# Allegro board MinnowMax_RevA1.brd (continued)
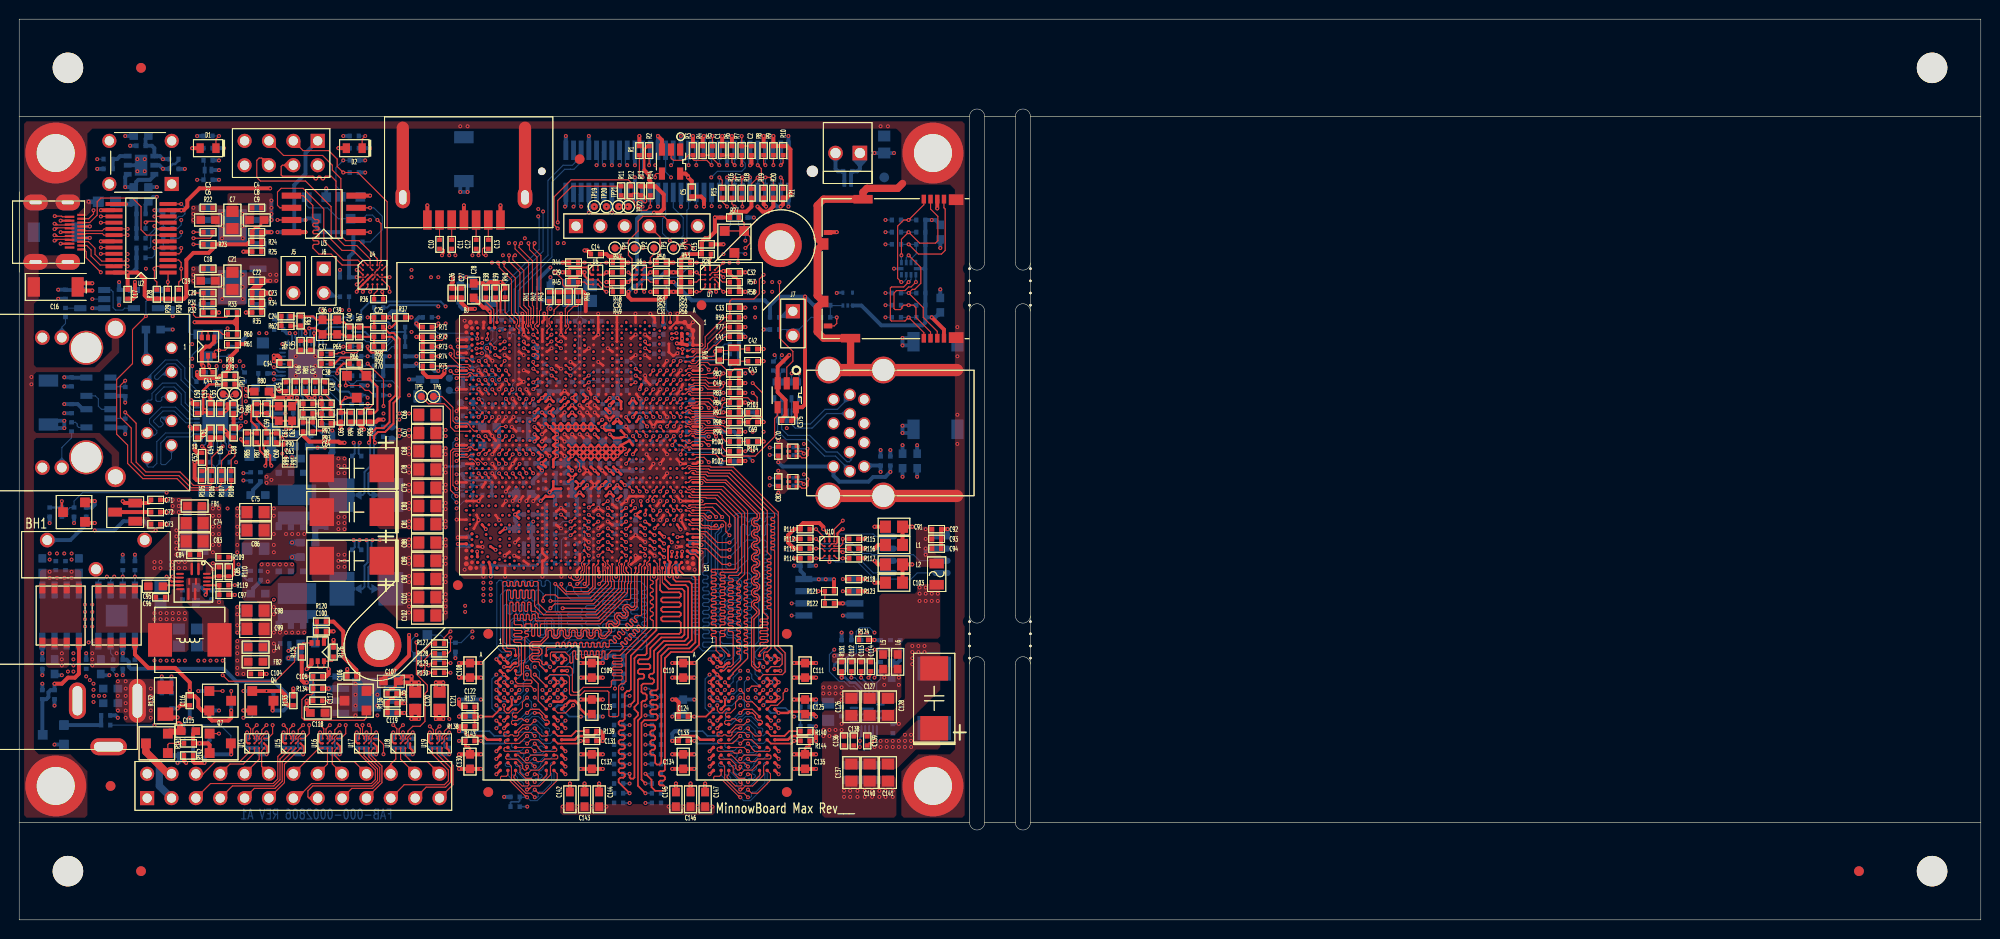
[diagram p0: board, top side]
## Footprints (pads in the part's own frame, mm; a bottom-side part is the same pattern mirrored in y, then rotated) (continued)
  round 0.305 smd: AB4(11.137,-1.448) AB6(10.463,-1.448) AB7(9.752,-1.448) AB9(9.041,-1.448) AB10(8.33,-1.448) AB12(7.618,-1.448) AB13(6.907,-1.448) AB14(6.196,-1.448) AB40(-6.196,-1.448) AB41(-6.907,-1.448) AB42(-7.618,-1.448) AB44(-8.33,-1.448) AB45(-9.041,-1.448) AB47(-9.752,-1.448) AB48(-10.463,-1.448) AB50(-11.137,-1.448) AD4(10.995,-0.463) AD6(10.404,-0.525) AD7(9.752,-0.475) AD9(9.041,-0.475) AD10(8.33,-0.475) AD12(7.618,-0.475) AD13(6.907,-0.475) AD14(6.196,-0.475) AD40(-6.196,-0.475) AD41(-6.907,-0.475) AD42(-7.618,-0.475) AD44(-8.33,-0.475) AD45(-9.041,-0.475) AD47(-9.752,-0.475) AD48(-10.404,-0.525) AD50(-10.995,-0.463) AE6(10.108,0) AE8(9.396,0) AE9(8.685,0) AE11(7.974,0) AE12(7.263,0) AE14(6.552,0) AE40(-6.552,0) AE42(-7.263,0) AE43(-7.974,0) AE45(-8.685,0) AE46(-9.396,0) AE48(-10.108,0) AF4(10.995,0.463) AF6(10.404,0.525) AF7(9.752,0.475) AF9(9.041,0.475) AF10(8.33,0.475) AF12(7.618,0.475) AF13(6.907,0.475) AF14(6.196,0.475) AF40(-6.196,0.475) AF41(-6.907,0.475) AF42(-7.618,0.475) AF44(-8.33,0.475) AF45(-9.041,0.475) AF47(-9.752,0.475) AF48(-10.404,0.525) AF50(-10.995,0.463) AH4(11.137,1.448) AH6(10.463,1.448) AH7(9.752,1.448) AH9(9.041,1.448) AH10(8.33,1.448) AH12(7.618,1.448) AH13(6.907,1.448) AH14(6.196,1.448) AH40(-6.196,1.448) AH41(-6.907,1.448) AH42(-7.618,1.448) AH44(-8.33,1.448) AH45(-9.041,1.448) AH47(-9.752,1.448) AH48(-10.463,1.448) AH50(-11.137,1.448) AK4(11.137,2.439) AK6(10.463,2.439) AK7(9.752,2.439) AK9(9.041,2.439) AK10(8.33,2.439) AK12(7.618,2.439) AK13(6.907,2.439) AK14(6.196,2.439) AK40(-6.196,2.439) AK41(-6.907,2.439) AK42(-7.618,2.439) AK44(-8.33,2.439) AK45(-9.041,2.439) AK47(-9.752,2.439) AK48(-10.463,2.439) AK50(-11.137,2.439) AM4(11.137,3.386) AM6(10.463,3.412) AM7(9.752,3.412) AM9(9.041,3.412) AM10(8.33,3.412) AM12(7.618,3.412) AM13(6.907,3.412) AM14(6.196,3.412) AM40(-6.196,3.412) AM41(-6.907,3.412) AM42(-7.618,3.412) AM44(-8.33,3.412) AM45(-9.041,3.412) AM47(-9.752,3.412) AM48(-10.463,3.412) AM50(-11.137,3.386) AN5(10.819,3.887) AN6(10.108,3.887) AN8(9.396,3.887) AN9(8.685,3.887) AN11(7.974,3.887) AN12(7.263,3.887) AN14(6.552,3.887) AN40(-6.552,3.887) AN42(-7.263,3.887) AN43(-7.974,3.887) AN45(-8.685,3.887) AN46(-9.396,3.887) AN48(-10.108,3.887) AN49(-10.819,3.887) AP4(11.137,4.388) AP6(10.463,4.362) AP7(9.752,4.362) AP9(9.041,4.362) AP10(8.33,4.362) AP12(7.618,4.362) AP13(6.907,4.362) AP14(6.196,4.362) AP40(-6.196,4.362) AP41(-6.907,4.362) AP42(-7.618,4.362) AP44(-8.33,4.362) AP45(-9.041,4.362) AP47(-9.752,4.362) AP48(-10.463,4.362) AP50(-11.137,4.388) AT4(11.137,5.336) AT6(10.463,5.336) AT7(9.752,5.336) AT9(9.041,5.336) AT10(8.33,5.336) AT12(7.618,5.336) AT13(6.907,5.336) AT14(6.305,5.336) AT16(5.336,5.196) AT18(4.362,5.196) AT19(3.887,5.552) AT20(3.412,5.196) AT22(2.439,5.196) AT24(1.448,5.196) AT26(0.475,5.196) AT27(0,5.552) AT28(-0.475,5.196) AT30(-1.448,5.196) AT32(-2.439,5.196) AT34(-3.412,5.196) AT35(-3.887,5.552) AT36(-4.362,5.196) AT38(-5.336,5.196) AT40(-6.305,5.336) AT41(-6.907,5.336) AT42(-7.618,5.336) AT44(-8.33,5.336) AT45(-9.041,5.336) AT47(-9.752,5.336) AT48(-10.463,5.336) AT50(-11.137,5.336) AU16(5.336,5.907) AU18(4.362,5.907) AU20(3.412,5.907) AU22(2.439,5.907) AU24(1.448,5.907) AU26(0.475,5.907) AU28(-0.475,5.907) AU30(-1.448,5.907) AU32(-2.439,5.907) AU34(-3.412,5.907) AU36(-4.362,5.907) AU38(-5.336,5.907) AV4(11.137,6.326) AV6(10.463,6.326) AV7(9.752,6.326) AV9(9.041,6.326) AV10(8.33,6.326) AV12(7.618,6.326) AV13(6.907,6.326) AV14(6.326,6.446) AV16(5.336,6.618) AV18(4.362,6.618) AV19(3.887,6.263) AV20(3.412,6.618) AV22(2.439,6.618) AV24(1.448,6.618) AV26(0.475,6.618) AV27(0,6.263) AV28(-0.475,6.618) AV30(-1.448,6.618) AV32(-2.439,6.618) AV34(-3.412,6.618) AV35(-3.887,6.263) AV36(-4.362,6.618) AV38(-5.336,6.618) AV40(-6.326,6.446) AV41(-6.907,6.326) AV42(-7.618,6.326) AV44(-8.33,6.326) AV45(-9.041,6.326) AV47(-9.752,6.326) AV48(-10.463,6.326) AV50(-11.137,6.326) AW13(6.751,6.915) AW19(3.887,6.974) AW27(0,6.974) AW35(-3.887,6.974) AW41(-6.751,6.915) AY4(11.137,7.317) AY6(10.463,7.317) AY7(9.752,7.317) AY9(9.041,7.317) AY10(8.33,7.317) AY12(7.317,7.34) AY14(6.326,7.33) AY16(5.336,7.33) AY18(4.362,7.33) AY20(3.412,7.33) AY22(2.439,7.33) AY24(1.448,7.33) AY26(0.475,7.33) AY28(-0.475,7.33) AY30(-1.448,7.33) AY32(-2.439,7.33) AY34(-3.412,7.33) AY36(-4.362,7.33) AY38(-5.336,7.33) AY40(-6.326,7.33) AY42(-7.317,7.34) AY44(-8.33,7.317) AY45(-9.041,7.317) AY47(-9.752,7.317) AY48(-10.463,7.317) AY50(-11.137,7.317) B7(9.852,-11.23) B47(-9.852,-11.23) BA12(7.317,8.041) BA14(6.326,8.041) BA16(5.336,8.041) BA18(4.362,8.041) BA19(3.887,7.685) BA20(3.412,8.041) BA22(2.439,8.041) BA24(1.448,8.041) BA26(0.475,8.041) BA27(0,7.685) BA28(-0.475,8.041) BA30(-1.448,8.041) BA32(-2.439,8.041) BA34(-3.412,8.041) BA35(-3.887,7.685) BA36(-4.362,8.041) BA38(-5.336,8.041) BA40(-6.326,8.041) BA42(-7.317,8.041) BB4(11.258,8.307) BB5(10.547,8.307) BB7(9.835,8.307) BB8(9.124,8.307) BB10(8.307,8.17) BB19(3.887,8.396) BB27(0,8.396) BB35(-3.887,8.396) BB44(-8.307,8.17) BB46(-9.124,8.307) BB47(-9.835,8.307) BB49(-10.547,8.307) BB50(-11.258,8.307) BC10(8.307,8.764) BC12(7.317,8.752) BC14(6.326,8.752) BC16(5.336,8.752) BC18(4.362,8.752) BC20(3.412,8.752) BC22(2.439,8.752) BC24(1.448,8.752) BC26(0.475,8.752) BC28(-0.475,8.752) BC30(-1.448,8.752) BC32(-2.439,8.752) BC34(-3.412,8.752) BC36(-4.362,8.752) BC38(-5.336,8.752) BC40(-6.326,8.752) BC42(-7.317,8.752) BC44(-8.307,8.764) BD5(10.565,9.302) BD7(9.712,9.302) BD10(8.307,9.457) BD12(7.317,9.463) BD14(6.326,9.463) BD16(5.336,9.463) BD18(4.362,9.463) BD19(3.887,9.108) BD20(3.412,9.463) BD22(2.439,9.463) BD24(1.448,9.463) BD26(0.525,9.404) BD27(0,9.108) BD28(-0.525,9.404) BD30(-1.448,9.463) BD32(-2.439,9.463) BD34(-3.412,9.463) BD35(-3.887,9.108) BD36(-4.362,9.463) BD38(-5.336,9.463) BD40(-6.326,9.463) BD42(-7.317,9.463) BD44(-8.307,9.457) BD47(-9.712,9.302) BD49(-10.565,9.302) BE3(11.643,9.58) BE8(9.32,9.747) BE19(3.887,9.819) BE35(-3.887,9.819) BE46(-9.32,9.747) BE51(-11.643,9.58) BF4(11.163,10.163) BF6(10.113,10.238) BF10(8.307,10.168) BF12(7.317,10.137) BF14(6.326,10.137) BF16(5.336,10.137) BF18(4.388,10.137) BF20(3.386,10.137) BF22(2.439,10.137) BF24(1.448,10.137) BF26(0.463,9.995) BF28(-0.463,9.995) BF30(-1.448,10.137) BF32(-2.439,10.137) BF34(-3.386,10.137) BF36(-4.388,10.137) BF38(-5.336,10.137) BF40(-6.326,10.137) BF42(-7.317,10.137) BF44(-8.307,10.168) BF48(-10.113,10.238) BF50(-11.163,10.163) BG5(10.58,10.643) BG7(9.553,10.709) BG47(-9.553,10.709) BG49(-10.58,10.643) BH7(9.852,11.23) BH47(-9.852,11.23) C5(10.58,-10.643) C7(9.553,-10.709) C47(-9.553,-10.709) C49(-10.58,-10.643) D4(11.163,-10.163) D6(10.113,-10.238) D10(8.307,-10.168) D12(7.317,-10.137) D14(6.326,-10.137) D16(5.336,-10.137) D18(4.388,-10.137) D20(3.386,-10.137) D22(2.439,-10.137) D24(1.448,-10.137) D26(0.463,-9.995) D28(-0.463,-9.995) D30(-1.448,-10.137) D32(-2.439,-10.137) D34(-3.386,-10.137) D36(-4.388,-10.137) D38(-5.336,-10.137) D40(-6.326,-10.137) D42(-7.317,-10.137) D44(-8.307,-10.168) D48(-10.113,-10.238) D50(-11.163,-10.163) E3(11.643,-9.58) E8(9.32,-9.747) E19(3.887,-9.819) E35(-3.887,-9.819) E46(-9.32,-9.747) E51(-11.643,-9.58) F5(10.565,-9.302) F7(9.712,-9.302) F10(8.307,-9.457) F12(7.317,-9.463) F14(6.326,-9.463) F16(5.336,-9.463) F18(4.362,-9.463) F19(3.887,-9.108) F20(3.412,-9.463) F22(2.439,-9.463) F24(1.448,-9.463) F26(0.525,-9.404) F27(0,-9.108) F28(-0.525,-9.404) F30(-1.448,-9.463) F32(-2.439,-9.463) F34(-3.412,-9.463) F35(-3.887,-9.108) F36(-4.362,-9.463) F38(-5.336,-9.463) F40(-6.326,-9.463) F42(-7.317,-9.463) F44(-8.307,-9.457) F47(-9.712,-9.302) F49(-10.565,-9.302) G10(8.307,-8.764) G12(7.317,-8.752) G14(6.326,-8.752) G16(5.336,-8.752) G18(4.362,-8.752) G20(3.412,-8.752) G22(2.439,-8.752) G24(1.448,-8.752) G26(0.475,-8.752) G28(-0.475,-8.752) G30(-1.448,-8.752) G32(-2.439,-8.752) G34(-3.412,-8.752) G36(-4.362,-8.752) G38(-5.336,-8.752) G40(-6.326,-8.752) G42(-7.317,-8.752) G44(-8.307,-8.764) H4(11.258,-8.307) H5(10.547,-8.307) H7(9.835,-8.307) H8(9.124,-8.307) H10(8.307,-8.17) H19(3.887,-8.396) H27(0,-8.396) H35(-3.887,-8.396) H44(-8.307,-8.17) H46(-9.124,-8.307) H47(-9.835,-8.307) H49(-10.547,-8.307) H50(-11.258,-8.307) J12(7.317,-8.041) J14(6.326,-8.041) J16(5.336,-8.041) J18(4.362,-8.041) J19(3.887,-7.685) J20(3.412,-8.041) J22(2.439,-8.041) J24(1.448,-8.041) J26(0.475,-8.041) J27(0,-7.685) J28(-0.475,-8.041) J30(-1.448,-8.041) J32(-2.439,-8.041) J34(-3.412,-8.041) J35(-3.887,-7.685) J36(-4.362,-8.041) J38(-5.336,-8.041) J40(-6.326,-8.041) J42(-7.317,-8.041) K4(11.137,-7.317) K6(10.463,-7.317) K7(9.752,-7.317) K9(9.041,-7.317) K10(8.33,-7.317) K12(7.317,-7.34) K14(6.326,-7.33) K16(5.336,-7.33) K18(4.362,-7.33) K20(3.412,-7.33) K22(2.439,-7.33) K24(1.448,-7.33) K26(0.475,-7.33) K28(-0.475,-7.33) K30(-1.448,-7.33) K32(-2.439,-7.33) K34(-3.412,-7.33) K36(-4.362,-7.33) K38(-5.336,-7.33) K40(-6.326,-7.33) K42(-7.317,-7.34) K44(-8.33,-7.317) K45(-9.041,-7.317) K47(-9.752,-7.317) K48(-10.463,-7.317) K50(-11.137,-7.317) L13(6.751,-6.915) L19(3.887,-6.974) L27(0,-6.974) L35(-3.887,-6.974) L41(-6.751,-6.915) M4(11.137,-6.326) M6(10.463,-6.326) M7(9.752,-6.326) M9(9.041,-6.326) M10(8.33,-6.326) M12(7.618,-6.326) M13(6.907,-6.326) M14(6.326,-6.446) M16(5.336,-6.618) M18(4.362,-6.618) M19(3.887,-6.263) M20(3.412,-6.618) M22(2.439,-6.618) M24(1.448,-6.618) M26(0.475,-6.618) M27(0,-6.263) M28(-0.475,-6.618) M30(-1.448,-6.618) M32(-2.439,-6.618) M34(-3.412,-6.618) M35(-3.887,-6.263) M36(-4.362,-6.618) M38(-5.336,-6.618) M40(-6.326,-6.446) M41(-6.907,-6.326) M42(-7.618,-6.326) M44(-8.33,-6.326) M45(-9.041,-6.326) M47(-9.752,-6.326) M48(-10.463,-6.326) M50(-11.137,-6.326) N16(5.336,-5.907) N18(4.362,-5.907) N20(3.412,-5.907) N22(2.439,-5.907) N24(1.448,-5.907) N26(0.475,-5.907) N28(-0.475,-5.907) N30(-1.448,-5.907) N32(-2.439,-5.907) N34(-3.412,-5.907) N36(-4.362,-5.907) N38(-5.336,-5.907) P4(11.137,-5.336) P6(10.463,-5.336) P7(9.752,-5.336) P9(9.041,-5.336) P10(8.33,-5.336) P12(7.618,-5.336) P13(6.907,-5.336) P14(6.305,-5.336) P16(5.336,-5.196) P18(4.362,-5.196) P19(3.887,-5.552) P20(3.412,-5.196) P22(2.439,-5.196) P24(1.448,-5.196) P26(0.475,-5.196) P27(0,-5.552) P28(-0.475,-5.196) P30(-1.448,-5.196) P32(-2.439,-5.196) P34(-3.412,-5.196) P35(-3.887,-5.552) P36(-4.362,-5.196) P38(-5.336,-5.196) P40(-6.305,-5.336) P41(-6.907,-5.336) P42(-7.618,-5.336) P44(-8.33,-5.336) P45(-9.041,-5.336) P47(-9.752,-5.336) P48(-10.463,-5.336) P50(-11.137,-5.336) T4(11.137,-4.388) T6(10.463,-4.362) T7(9.752,-4.362) T9(9.041,-4.362) T10(8.33,-4.362) T12(7.618,-4.362) T13(6.907,-4.362) T14(6.196,-4.362) T40(-6.196,-4.362) T41(-6.907,-4.362) T42(-7.618,-4.362) T44(-8.33,-4.362) T45(-9.041,-4.362) T47(-9.752,-4.362) T48(-10.463,-4.362) T50(-11.137,-4.388) U5(10.819,-3.887) U6(10.108,-3.887) U8(9.396,-3.887) U9(8.685,-3.887) U11(7.974,-3.887) U12(7.263,-3.887) U14(6.552,-3.887) U40(-6.552,-3.887) U42(-7.263,-3.887) U43(-7.974,-3.887) U45(-8.685,-3.887) U46(-9.396,-3.887) U48(-10.108,-3.887) U49(-10.819,-3.887) V4(11.137,-3.386) V6(10.463,-3.412) V7(9.752,-3.412) V9(9.041,-3.412) V10(8.33,-3.412) V12(7.618,-3.412) V13(6.907,-3.412) V14(6.196,-3.412) V40(-6.196,-3.412) V41(-6.907,-3.412) V42(-7.618,-3.412) V44(-8.33,-3.412) V45(-9.041,-3.412) V47(-9.752,-3.412) V48(-10.463,-3.412) V50(-11.137,-3.386) Y4(11.137,-2.439) Y6(10.463,-2.439) Y7(9.752,-2.439) Y9(9.041,-2.439) Y10(8.33,-2.439) Y12(7.618,-2.439) Y13(6.907,-2.439) Y14(6.196,-2.439) Y40(-6.196,-2.439) Y41(-6.907,-2.439) Y42(-7.618,-2.439) Y44(-8.33,-2.439) Y45(-9.041,-2.439) Y47(-9.752,-2.439) Y48(-10.463,-2.439) Y50(-11.137,-2.439)
FCQFN16_RT7290A_NB669
  oval 1.295x0.254 smd: 1(-1.3,0.525) 2(-1.3,-0.175) 8(1.3,-0.525) 9(1.3,0.175)
  oval 0.203x0.813 smd: 3(-0.8,-1.4) 4(-0.4,-1.4) 5(0,-1.4) 6(0.4,-1.4) 7(0.8,-1.4) 10(0.8,1.4) 11(0.4,1.4) 12(0,1.4) 13(-0.4,1.4) 14(-0.8,1.4)
  rect 0.675x0.2 smd: 15(0,0.265) 16(0,-0.435)
FPC_4P10_R_1
  rect 0.2x0.675 smd: 1(-1,-0.437) 2(-0.5,-0.437) 4(0.5,-0.437) 5(1,-0.437) 6(1,0.437) 7(0.5,0.437) 9(-0.5,0.437) 10(-1,0.437)
  rect 0.4x1.55 smd: 3(0,0) 8(0,0)
FUSE_0805
  rect 1x1.5 smd: 1(-1.1,0) 2(1.1,0)
HDR2X4
  rect 1.473x1.473 hole 0.965: 1(0,0)
  round 1.473 hole 0.965: 2(2.54,0) 3(0,-2.54) 4(2.54,-2.54) 5(0,-5.08) 6(2.54,-5.08) 7(0,-7.62) 8(2.54,-7.62)
HDR2X13
  rect 1.473x1.473 hole 0.965: 1(0,0)
  round 1.473 hole 0.965: 2(0,2.54) 3(2.54,0) 4(2.54,2.54) 5(5.08,0) 6(5.08,2.54) 7(7.62,0) 8(7.62,2.54) 9(10.16,0) 10(10.16,2.54) 11(12.7,0) 12(12.7,2.54) 13(15.24,0) 14(15.24,2.54) 15(17.78,0) 16(17.78,2.54) 17(20.32,0) 18(20.32,2.54) 19(22.86,0) 20(22.86,2.54) 21(25.4,0) 22(25.4,2.54) 23(27.94,0) 24(27.94,2.54) 25(30.48,0) 26(30.48,2.54)
HSO8-F4-B
  rect 1.016x0.635 smd: 1(-2.82,1.905) 2(-2.82,0.635) 3(-2.82,-0.635) 4(-2.82,-1.905) 5(2.82,-1.905) 6(2.82,-0.635) 7(2.82,0.635) 8(2.82,1.905)
LED_0603
  rect 0.762x1.016 smd: 1(-0.826,0) 2(0.826,0)
MTGH250C156D_PL
  round 6.35 hole 3.962: 1(0,0)
PQFN8
  rect 0.65x0.63 smd: 1(-1.905,-2.835) 2(-0.635,-2.835) 3(0.635,-2.835) 5(1.905,2.835) 6(0.635,2.835) 7(-0.635,2.835) 8(-1.905,2.835)
  rect 0.65x0.84 smd: 4(1.905,-2.73)
  custom 4x1.35 smd: 9(0,-1.885)
  rect 4x2.15 smd: 10(0,0.525)
QFN21_NB675
  oval 0.914x0.254 smd: 1(-1.375,0.875) 2(-1.375,0.175) 3(-1.375,-0.525) 10(1.375,-0.875) 11(1.375,-0.175) 12(1.375,0.525)
  oval 0.203x1.118 smd: 4(-1,-1.825) 5(-0.6,-1.825) 6(-0.2,-1.825) 7(0.2,-1.825) 8(0.6,-1.825) 9(1,-1.825) 13(1,1.825) 14(0.6,1.825) 15(0.2,1.825) 16(-0.2,1.825) 17(-0.6,1.825) 18(-1,1.825)
  rect 1.372x0.229 smd: 19(0,0.44) 20(0,-0.16) 21(0,-0.76)
QFN32_PT04_NCP81102
  oval 0.66x0.203 smd: 1(-1.925,1.4) 2(-1.925,1) 3(-1.925,0.6) 4(-1.925,0.2) 5(-1.925,-0.2) 6(-1.925,-0.6) 7(-1.925,-1) 8(-1.925,-1.4) 17(1.925,-1.4) 18(1.925,-1) 19(1.925,-0.6) 20(1.925,-0.2) 21(1.925,0.2) 22(1.925,0.6) 23(1.925,1) 24(1.925,1.4)
  oval 0.203x0.66 smd: 9(-1.4,-1.925) 10(-1,-1.925) 11(-0.6,-1.925) 12(-0.2,-1.925) 13(0.2,-1.925) 14(0.6,-1.925) 15(1,-1.925) 16(1.4,-1.925) 25(1.4,1.925) 26(1,1.925) 27(0.6,1.925) 28(0.2,1.925) 29(-0.2,1.925) 30(-0.6,1.925) 31(-1,1.925) 32(-1.4,1.925)
  rect 2.7x2.7 smd: 33(0,0)
QFN40_PT04-92HD89C_1
  oval 0.711x0.203 smd: 1(-2.4,1.8) 2(-2.4,1.4) 3(-2.4,1) 4(-2.4,0.6) 5(-2.4,0.2) 6(-2.4,-0.2) 7(-2.4,-0.6) 8(-2.4,-1) 9(-2.4,-1.4) 10(-2.4,-1.8) 21(2.4,-1.8) 22(2.4,-1.4) 23(2.4,-1) 24(2.4,-0.6) 25(2.4,-0.2) 26(2.4,0.2) 27(2.4,0.6) 28(2.4,1) 29(2.4,1.4) 30(2.4,1.8)
  oval 0.203x0.711 smd: 11(-1.8,-2.4) 12(-1.4,-2.4) 13(-1,-2.4) 14(-0.6,-2.4) 15(-0.2,-2.4) 16(0.2,-2.4) 17(0.6,-2.4) 18(1,-2.4) 19(1.4,-2.4) 20(1.8,-2.4) 31(1.8,2.4) 32(1.4,2.4) 33(1,2.4) 34(0.6,2.4) 35(0.2,2.4) 36(-0.2,2.4) 37(-0.6,2.4) 38(-1,2.4) 39(-1.4,2.4) 40(-1.8,2.4)
  rect 3.6x3.6 smd: 41(0,0)
R0402
  rect 0.45x0.5 smd: 1(-0.475,0) 2(0.475,0)
R0603
  rect 0.889x0.813 smd: 1(-0.762,0) 2(0.762,0)
R0805
  rect 1.143x1.27 smd: 1(-0.889,0) 2(0.889,0)
R1206
  rect 1.397x1.651 smd: 1(-1.397,0) 2(1.397,0)
RAPC712
  oval 1.778x4.572 hole 1.016x3.556: 1(0,0)
  oval 3.81x1.778 hole 3.048x1.016: 2(-2.997,-4.801)
  oval 1.778x3.81 hole 1.016x3.048: 3(-6.248,0)
SATA_RA
  rect 2x0.9 smd: 1(0,3.81) 2(0,2.54) 3(0,1.27) 4(0,0) 5(0,-1.27) 6(0,-2.54) 7(0,-3.81)
  oval 2.286x1.524 hole 1.499x0.787: 8(2.36,6.37) 9(2.36,-6.37)
SD-MICRO-SCHA5B0300
  rect 0.914x0.457 smd: 1(-7.257,0) 2(-7.257,-0.7) 3(-7.257,-1.4) 4(-7.257,-2.1) 5(7.257,-2.1) 6(7.257,-1.4) 7(7.257,-0.7) 8(7.257,0)
  rect 0.508x0.889 smd: 9(3.775,9.989) 10(-5.975,9.989)
  rect 0.889x2.007 smd: 11(-7.25,7.635) 12(7.25,6.335)
  rect 1.118x1.524 smd: 13(-7.196,-3.365) 14(7.196,-3.365)
  rect 1.194x1.092 smd: 15(-3.425,10.488) 16(2.575,10.488)
SHORT2-NMNP
  custom 0.635x1.016 smd: 1(-0.318,0) 2(0.318,0)
SIP2
  rect 1.473x1.473 hole 0.965: 1(0,0)
  round 1.473 hole 0.965: 2(0,-2.54)
SIP6
  rect 1.473x1.473 hole 0.965: 1(0,0)
  round 1.473 hole 0.965: 2(0,-2.54) 3(0,-5.08) 4(0,-7.62) 5(0,-10.16) 6(0,-12.7)
SM-7351-IND-0603
  rect 1.143x1.092 smd: 1(-0.899,0) 2(0.899,0)
SM-SW-SPST-4-4
  rect 1.473x1.473 hole 0.965: 1(0,0)
  round 1.473 hole 0.965: 2(-6.502,0) 3(0,4.496) 4(-6.502,4.496)
SMT-5177985-2
  round 1.194 hole 1.168 unplated: (-14.1,0)
  round 0.787 hole 0.787 unplated: (14.1,0)
  rect 0.508x2.032 smd: 1(11.6,-2.2) 2(11.6,2.2) 3(10.8,-2.2) 4(10.8,2.2) 5(10,-2.2) 6(10,2.2) 7(9.2,-2.2) 8(9.2,2.2) 9(8.4,-2.2) 10(8.4,2.2) 11(7.6,-2.2) 12(7.6,2.2) 13(6.8,-2.2) 14(6.8,2.2) 15(6,-2.2) 16(6,2.2) 17(5.2,-2.2) 18(5.2,2.2) 19(4.4,-2.2) 20(4.4,2.2) 21(3.6,-2.2) 22(3.6,2.2) 23(2.8,-2.2) 24(2.8,2.2) 25(2,-2.2) 26(2,2.2) 27(1.2,-2.2) 28(1.2,2.2) 29(0.4,-2.2) 30(0.4,2.2) 31(-0.4,-2.2) 32(-0.4,2.2) 33(-1.2,-2.2) 34(-1.2,2.2) 35(-2,-2.2) 36(-2,2.2) 37(-2.8,-2.2) 38(-2.8,2.2) 39(-3.6,-2.2) 40(-3.6,2.2) 41(-4.4,-2.2) 42(-4.4,2.2) 43(-5.2,-2.2) 44(-5.2,2.2) 45(-6,-2.2) 46(-6,2.2) 47(-6.8,-2.2) 48(-6.8,2.2) 49(-7.6,-2.2) 50(-7.6,2.2) 51(-8.4,-2.2) 52(-8.4,2.2) 53(-9.2,-2.2) 54(-9.2,2.2) 55(-10,-2.2) 56(-10,2.2) 57(-10.8,-2.2) 58(-10.8,2.2) 59(-11.6,-2.2) 60(-11.6,2.2)
SO8-25X75
  oval 0.635x1.905 smd: 1(-1.905,-2.794) 2(-0.635,-2.794) 3(0.635,-2.794) 4(1.905,-2.794) 5(1.905,2.794) 6(0.635,2.794) 7(-0.635,2.794) 8(-1.905,2.794)
SO8_W200
  rect 2.032x0.635 smd: 1(-3.365,1.905) 2(-3.365,0.635) 3(-3.365,-0.635) 4(-3.365,-1.905) 5(3.365,-1.905) 6(3.365,-0.635) 7(3.365,0.635) 8(3.365,1.905)
SOP8_W150_PT50
  rect 0.66x1.778 smd: 1(-1.905,-2.667) 2(-0.635,-2.667) 3(0.635,-2.667) 4(1.905,-2.667) 5(1.905,2.667) 6(0.635,2.667) 7(-0.635,2.667) 8(-1.905,2.667)
SOP8_W150_PT50-104X120
  rect 0.66x1.778 smd: 1(-1.905,-2.667) 2(-0.635,-2.667) 3(0.635,-2.667) 4(1.905,-2.667) 5(1.905,2.667) 6(0.635,2.667) 7(-0.635,2.667) 8(-1.905,2.667)
  rect 3.505x2.997 smd: 9(0,0)
SOP8_W150_PT50_3X2D5MM
  rect 0.66x1.778 smd: 1(-1.905,-2.667) 2(-0.635,-2.667) 3(0.635,-2.667) 4(1.905,-2.667) 5(1.905,2.667) 6(0.635,2.667) 7(-0.635,2.667) 8(-1.905,2.667)
  rect 3.505x2.997 smd: 9(0,0)
SOT23-5
  rect 0.635x1.27 smd: 1(-0.95,-1.25) 2(0,-1.25) 3(0.95,-1.25) 4(0.95,1.25) 5(-0.95,1.25)
SOT23_3L
  rect 0.914x1.422 smd: 1(-0.95,-1.05) 2(0.95,-1.05) 3(0,1.05)
SOT23_EBC
  rect 1.016x1.016 smd: B(-1.016,-1.105) C(0,1.105) E(1.016,-1.105)
SOT23_GDS_2
  rect 1.016x1.016 smd: D(0,1.143) G(-1.016,-1.143) S(1.016,-1.143)
SOT23_GSD
  rect 1.016x1.016 smd: D(0,1.105) G(-1.016,-1.105) S(1.016,-1.105)
SOT-363
  rect 0.42x0.6 smd: 1(-0.65,-0.95) 2(0,-0.95) 3(0.65,-0.95) 4(0.65,0.95) 5(0,0.95) 6(-0.65,0.95)
SSOP24_256P_222LS
  rect 0.406x1.778 smd: 1(-3.576,-2.819) 2(-2.926,-2.819) 3(-2.276,-2.819) 4(-1.626,-2.819) 5(-0.975,-2.819) 6(-0.325,-2.819) 7(0.325,-2.819) 8(0.975,-2.819) 9(1.626,-2.819) 10(2.276,-2.819) 11(2.926,-2.819) 12(3.576,-2.819) 13(3.576,2.819) 14(2.926,2.819) 15(2.276,2.819) 16(1.626,2.819) 17(0.975,2.819) 18(0.325,2.819) 19(-0.325,2.819) 20(-0.975,2.819) 21(-1.626,2.819) 22(-2.276,2.819) 23(-2.926,2.819) 24(-3.576,2.819)
TP30-SMD
  round 0.762 smd: 1(0,0)
U_5_DRL
  rect 0.3x0.45 smd: 1(-0.5,-0.675) 2(0,-0.675) 3(0.5,-0.675) 4(0.5,0.675) 5(-0.5,0.675)
U_6_DRY
  rect 0.305x0.508 smd: 1(-0.5,-0.439) 2(0,-0.439) 3(0.5,-0.439) 4(0.5,0.439) 5(0,0.439) 6(-0.5,0.439)
U_10_RSE
  rect 0.3x0.58 smd: 1(-0.75,-0.635) 2(-0.25,-0.635) 3(0.25,-0.635) 4(0.75,-0.635) 6(0.75,0.635) 7(0.25,0.635) 8(-0.25,0.635) 9(-0.75,0.635)
  rect 0.63x0.35 smd: 5(0.86,0) 10(-0.86,0)
unnamed
  round 3.175 hole 3.175 unplated: (0,0)
unnamed#3
  round 1.016 smd: 1(0,0)
unnamed#4
  round 0.254 hole 1.092 unplated: (-1.905,0) (1.905,0)
  round 0.254 hole 0.508 unplated: (-0.635,0) (0.635,0)
unnamed#5
  round 4.572 hole 3.099 unplated: (0,29.509) (0,-29.509)
USB13_DUAL
  round 1.27 hole 0.914: 1(0,0) 2(2.5,0) 3(4.5,0) 4(7,0) 5(7.5,1.5) 6(5.5,1.5) 7(3.5,1.5) 8(1.5,1.5) 9(-0.5,1.5) 10(0,3.2) 11(2.5,3.2) 12(4.5,3.2) 13(7,3.2)
  round 2.794 hole 2.311: MH1(-3.07,3.68) MH2(-3.07,-2) MH3(10.07,-2) MH4(10.07,3.68)
WALL2_100LS
  rect 1.524x1.524 hole 1.067: 1(0,0)
  round 1.524 hole 1.067: 2(-2.54,0)
XTAL-FSX3M_4P_SMD
  rect 1.422x1.27 smd: 1(-1.1,-0.825) 2(1.1,-0.825) 3(1.1,0.825) 4(-1.1,0.825)

## Nets
3VSB_OK: D10.1(A1) R162.1
5VSB_CTRL: Q10.G(GATE) R288.1 R323.2 U35.8(SYS5VSB_OFF)
5VSB_GATE: C340.1 Q14.G(GATE) R323.1
5VSB_LSENB: C341.2 Q14.D(DRAIN) R324.1 U11.4(G)
+3VSB: C15.2 C31.2 C52.1 C53.1 C55.1 C167.2 C168.2 C210.2 C213.2 C214.2 C232.2 C250.1 C324.2 C349.2 C351.2 C353.2 C355.2 C357.2 CPU1.N18(USB_V3P3_G3_N18) CPU1.N22(PCU_V3P3_G3_N22) CPU1.P18(USB_V3P3_G3_P18) FB6.1 FB8.2 JP1.4 LAN1.11(AVDD33(NC)) LAN1.32(AVDD33) Q6.D(DRAIN) R18.1 R26.2 R27.2 R51.2 R53.1 R54.1 R55.2 R56.1 R83.2 R147.1 R162.2 U12.1(S1) U12.2(S2) U12.3(S3) U14.A2(VCCB) U15.A2(VCCB) U16.A2(VCCB) U17.A2(VCCB) U18.A2(VCCB) U25.5(VCC) U26.5(VCC) U28.5(VCC) U30.5(VCC)
+3VSB_EN: C116.2 D6.2 Q11.D(DRAIN) R322.1 U12.4(G)
+3VSB_EN_L: Q4.C(COLLECTOR) Q11.G(GATE) R321.1
+5VSB: C104.2 C153.1 C155.2 C326.2 D7.P F1.1 FB2.2 J2.1 J10.7 J10.8 J10.19 J10.20 J10.31 J10.32 J10.43 J10.44 JP1.3 L4.2 L5.1 L6.1 Q13.D(DRAIN) R32.1 R80.2 R126.1 R205.2 U2.11(VCC5V) U11.1(S1) U11.2(S2) U11.3(S3)
+5VSB_SW: C75.2 C86.2 C98.2 C99.2 C280.2 C281.2 C297.2 C305.2 C311.2 C312.2 C313.2 FB2.1 L4.1 R251.2 U31.2(D11) U31.3(D12) U31.4(D13) U31.9(D14) U34.2(D11) U34.3(D12) U34.4(D13) U34.9(D14)
+10V: C284.1 Q9.2(A2) R142.2 R322.2 R324.2 R340.2
+V1P0A: C21.2 C22.2 C23.2 C170.1 C172.1 C173.1 C174.1 C215.1 C217.1 CPU1.B6(UNCORE_V1P0_G3_B6) CPU1.C3(USB3_V1P0_G3_C3) CPU1.C5(UNCORE_V1P0_G3_C5) CPU1.U22(UNCORE_V1P0_G3_U22) CPU1.V18(USB_HSIC_V1P24_G3_V18) CPU1.V22(UNCORE_V1P0_G3_V22) CPU1.Y19(USB3_V1P0_G3_Y19) R34.2 U24.6(VOUT)
+V1P0A_ENABLE: C20.2 R31.2 R32.2 U24.2(EN)
+V1P0A_FB: C23.1 R34.1 R35.1 U24.7(ADJ)
+V1P0A_PWRGD: D11.1 R33.2 R151.1 U24.1(PGOOD)
+V1P0S: C119.2 C120.1 C121.1 C171.1 C181.1 C182.1 C183.1 C193.1 C194.1 C195.2 C198.2 C199.1 C200.1 C202.2 C220.1 C222.1 C223.1 C245.1 C254.1 C255.1 C261.2 C263.1 C274.1 C334.1 C335.2 CPU1.AA33(CORE_V1P05_S3_AA33) CPU1.AC32(CORE_V1P05_S3_AC32) CPU1.AF16(UNCORE_V1P0_S3_AF16) CPU1.AF18(UNCORE_V1P0_S3_AF18) CPU1.AF33(CORE_V1P05_S3_AF33) CPU1.AG33(CORE_V1P05_S3_AG33) CPU1.AG35(CORE_V1P05_S3_AG35) CPU1.AJ18(DDI_V1P0_S0IX_AJ18) CPU1.AK18(PCIE_V1P0_S3_AK18) CPU1.AK19(DDI_V1P0_S0IX_AK19) CPU1.AK21(DDI_V1P0_S0IX_AK21) CPU1.AM16(DDI_V1P0_S0IX_AM16) CPU1.AM18(PCIE_V1P0_S3_AM18) CPU1.AM21(PCIE_V1P0_S3_AM21) CPU1.AN18(PCIE_SATA_V1P0_S3_AN18) CPU1.AN19(SATA_V1P0_S3_AN19) CPU1.AN21(PCIE_V1P0_S3_AN21) CPU1.AN25(GPIO_V1P0_S3_AN25) CPU1.BJ6(VGA_V1P0_S3_BJ6) CPU1.G1(UNCORE_V1P0_S3_G1) CPU1.M14(USB_V1P0_S3_M14) CPU1.U18(USB_V1P0_S3_U18) CPU1.U19(USB_V1P0_S3_U19) CPU1.U33(CORE_V1P05_S3_U33) CPU1.U35(CORE_V1P05_S3_U35) CPU1.V32(SVID_V1P0_S3_V32) CPU1.V33(CORE_V1P05_S3_V33) CPU1.Y18(UNCORE_V1P0_S3_Y18) CPU1.Y32(CORE_V1P05_S3_Y32) R104.2 R136.2 R197.2 R222.1 R223.2 R224.2 R255.2 R265.1 U38.3(VOUT#3) U38.4(VOUT#4)
+V1P8A: C5.2 C32.1 C151.2 C152.2 C196.2 C236.2 C346.2 CPU1.AA18(UNCORE_V1P8_G3_AA18) CPU1.N20(USB_V1P8_G3_N20) CPU1.U24(UNCORE_V1P8_G3_U24) CPU1.U25(PMU_V1P8_G3_U25) CPU1.V25(PCU_V1P8_G3_V25) J10.55 Q8.S(SOURCE) R1.2 R3.2 R9.1 R10.1 R21.1 R57.1 R58.2 R84.1 R97.1 R116.2 R133.1 R150.2 R161.2 R209.1 R210.1 R211.1 R236.2 R237.2 R253.2 R254.2 R256.2 R334.1 U1.5(VCC) U7.B2(VCCA) U10.B2(VCCA) U19.B2(VCCA) U20.4(VOUT)
+V1P8A_EN: C158.2 R151.2 U20.3(EN)
+V1P8A_FB: C152.1 R150.1 R153.1 U20.5(SENSE/ADJ)
+V1P8S: C4.2 C7.2 C8.2 C9.2 C17.2 C29.2 C30.2 C242.2 C244.2 C266.2 C273.2 C348.2 C350.2 C352.2 C354.2 C356.2 C375.2 CPU1.AM30(UNCORE_V1P8_S3_AM30) CPU1.AM32(HDA_LPE_V1P5V1P8_S3_AM32) CPU1.AN32(UNCORE_V1P8_S3_AN32) CPU1.U38(UNCORE_V1P8_S3_U38) J6.1 R2.2 R6.2 R13.2 R14.2 R20.1 R23.1 R24.1 R28.2 R29.2 R30.2 R45.1 R49.1 R52.2 R71.2 R75.1 R171.1 R172.1 R177.1 R182.1 R183.1 R190.2 R191.2 R206.2 R219.1 R266.2 R267.2 R268.2 R335.1 R336.1 R337.1 R338.1 R339.1 U2.24(VCCA) U5.C1(VCCA) U6.C1(VCCA) U14.B2(VCCA) U15.B2(VCCA) U16.B2(VCCA) U17.B2(VCCA) U18.B2(VCCA) U21.6(VOUT) U39.5(VCC)
+V1P8S_EN: R22.2 U21.2(EN)
+V1P8S_FB: C9.1 R24.2 R25.2 U21.7(ADJ)
+V1P8S_PGD: R23.2 U21.1(PGOOD)
